# Altium PCB MMB_Controller_Board.pcbdoc (part 2 of 3)
Units mm, origin at the board's own origin, x right, y up, seen from the top; angles counter-clockwise.
Board outline 85 x 50 mm, 8 copper layers (Layer 1, Layer 2P, Layer 3, Layer 4 Pow, Layer 5, Layer 6, Layer 7P, Layer 8), stack 1.701 mm thick; 249 components, 205 nets, 935 pads, 357 vias.
Unrouted connection lines stored in the file: 68.
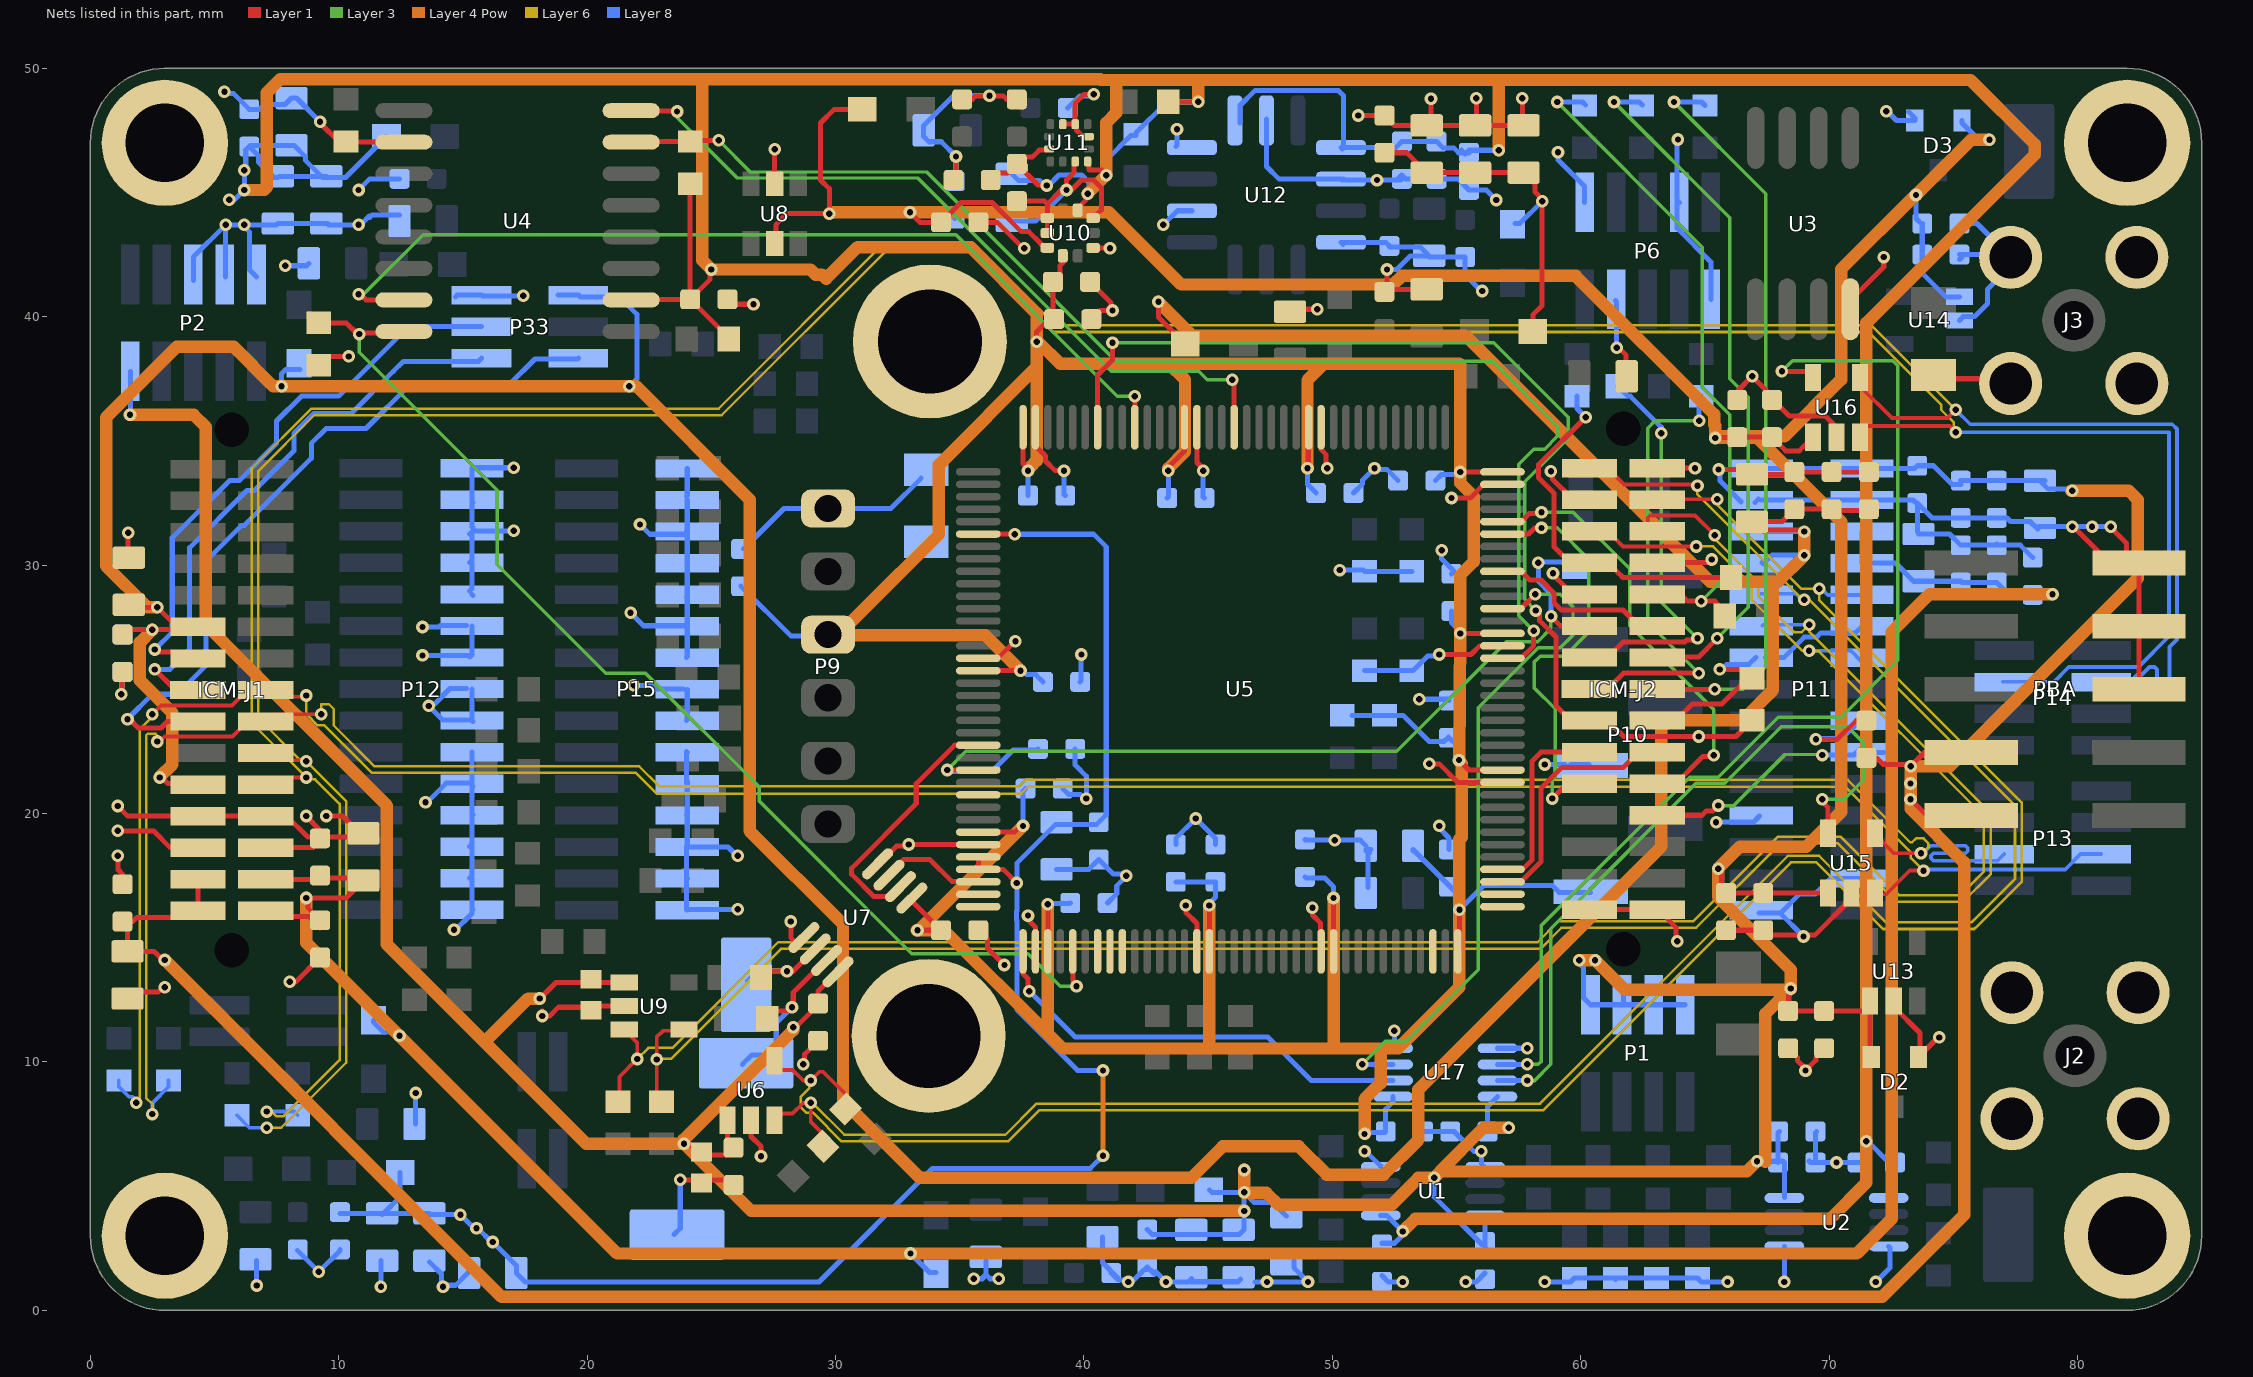
[diagram p8: the nets of this part, all layers, seen from the top]

## Part data (continued)
U4: "IC FLASH 512M SPI 133MHZ 16SOIC", Manufacturer=Cypress, Supplier Part Number 1=S25FS512SAGMFV010-ND, Manufacturer Part Number=S25FS512SAGMFV010, Pricing 1="1 = 8.400000, 10 = 7.729000, 25 = 7.568800, 50 = 7.541800, 240 = 6.765830, 480 = 6.560670, 720 = 6.239540, 1200 = 6.021000 (USD)", RoHS=No, Stock 1=221, Supplier 1=Digi-Key
U5: "ARM® Cortex®-M7 STM32H7 Microcontroller IC 32-Bit 400MHz 2MB (2M x 8) FLASH 144-LQFP (20x20)", Manufacturer=STMicroelectronics, Supplier Part Number 1=497-17721-ND, ComponentLink1Description=Datasheet, ComponentLink1URL=https://www.st.com/resource/en/datasheet/stm32h743bi.pdf, ComponentLink2Description="STM32H743, 753, 750 Reference Manual", ComponentLink2URL=https://www.st.com/resource/en/reference_manual/dm00314099.pdf, ComponentLink3Description="STM32H743xl Errata", ComponentLink3URL=https://www.st.com/resource/en/errata_sheet/dm00368411.pdf, ComponentLink4Description="Datasheet HTML", ComponentLink4URL=https://www.digikey.com/en/datasheets/stmicroelectronics/stmicroelectronics-en-dm00387108, Manufacturer Part Number=STM32H743ZIT6, Pricing 1="1 = 22.91000, 60 = 20.17900, 120 = 18.04242, 540 = 16.38059 (USD)", RoHS=No, Stock 1=331, Supplier 1=Digi-Key
U6 U9 U13 U15 U16: "3V LVDS Single CMOS Differential Line Receiver, 5-pin SOT-23", Case/Package=SOT-23, Manufacturer="TI National Semiconductor", Manufacturer Part Number=DS90LV012ATMF/NOPB, Max Operating Temperature=85°C, Max Power Dissipation=2.26W, Max Supply Current=9mA, Max Supply Voltage=3.6V, Min Operating Temperature=-40°C, Min Supply Voltage=2.7V, Operating Supply Voltage=3.3V, Package Quantity=1000, Power Consumption=18W, Supplier Part Number 1=DS90LV012ATMF/NOPBCT-ND, ComponentLink1Description=http://www.ti.com/lit/ds/symlink/ds90lv012a.pdf, ComponentLink1URL=http://www.ti.com/lit/ds/symlink/ds90lv012a.pdf, ComponentLink2Description=https://datasheet.ciiva.com/15133/getdatasheetpartid-627853-15133191.pdf?src-supplier=Verical, ComponentLink2URL=https://datasheet.ciiva.com/15133/getdatasheetpartid-627853-15133191.pdf?src-supplier=Verical, ComponentLink3Description=https://datasheet.ciiva.com/41460/001187784-da-01-en-ic-line-ds90lv012atmf-nopb-sot-23-5-tid-41460741.pdf?src-supplier=Conrad, ComponentLink3URL=https://datasheet.ciiva.com/41460/001187784-da-01-en-ic-line-ds90lv012atmf-nopb-sot-23-5-tid-41460741.pdf?src-supplier=Conrad, ComponentLink4Description=https://datasheet.ciiva.com/1709/ds90lt012a-1709907.pdf?src-supplier=Digi-Key, ComponentLink4URL=https://datasheet.ciiva.com/1709/ds90lt012a-1709907.pdf?src-supplier=Digi-Key, ComponentLink5Description=https://datasheet.ciiva.com/3151/ds90lv012a-3151479.pdf?src-supplier=Avnet, ComponentLink5URL=https://datasheet.ciiva.com/3151/ds90lv012a-3151479.pdf?src-supplier=Avnet, ComponentLink6Description=https://datasheet.ciiva.com/1554/1849915-1554728.pdf?src-supplier=Farnell, ComponentLink6URL=https://datasheet.ciiva.com/1554/1849915-1554728.pdf?src-supplier=Farnell, ComponentLink7Description=https://datasheet.ciiva.com/3151/ds90lv012a-3151480.pdf?src-supplier=Avnet, ComponentLink7URL=https://datasheet.ciiva.com/3151/ds90lv012a-3151480.pdf?src-supplier=Avnet, ComponentLink8Description=https://datasheet.ciiva.com/1709/ds90lt012a-1709945.pdf?src-supplier=Digi-Key, ComponentLink8URL=https://datasheet.ciiva.com/1709/ds90lt012a-1709945.pdf?src-supplier=Digi-Key, ComponentLink9Description=https://datasheet.ciiva.com/1709/ds90lt012a-1709946.pdf?src-supplier=Digi-Key, ComponentLink9URL=https://datasheet.ciiva.com/1709/ds90lt012a-1709946.pdf?src-supplier=Digi-Key, Data Rate=400Mbps, Height=1.02mm, Lead Free="Lead Free", Length=2.92mm, Mount="Surface Mount", Number of Channels=1, Number of Drivers=1, Number of Elements=1, Number of Pins=5, Number of Receivers=1, Packaging="Tape and Reel", Power Dissipation=2.26W, Pricing 1="1=1.05000, 10=0.93600, 100=0.72970, 500=0.60276 (USD)", Propagation Delay=3.5ns, Radiation Hardening=No, REACH SVHC="No SVHC", RoHS=Yes, Stock 1=46821, Supplier 1=Digi-Key, Turn-On Delay Time=3.5ns, Width=1.6mm
U8: "Low Capacitance Diode Array for ESD Protection in Four Data Lines, 6-Pin SC-74, Pb-Free, Tape and Reel", Breakdown Voltage=70V, Capacitance=3pF, Case/Package=SC, Forward Current=715mA, Leakage Current=2.5uA, Manufacturer="ON Semiconductor", Max Operating Temperature=85°C, Max Surge Current=2A, Min Operating Temperature=-40°C, Package Quantity=1, Power Line Protection=No, Power Rating=500W, Supplier Part Number 1=NUP4301MR6T1GOSCT-ND, ComponentLink1Description="Manufacturer URL", ComponentLink1URL=http://www.onsemi.com/, ComponentLink2Description=Datasheet, ComponentLink2URL=http://www.onsemi.com/pub/Collateral/NUP4301MR6T1-D.PDF, ComponentLink3Description="Package Specification", ComponentLink3URL=http://www.onsemi.com/pub_link/Collateral/318F-05.PDF, ComponentLink4Description=https://datasheet.ciiva.com/353/nup4301mr6t1-d-353859.pdf?src-supplier=Avnet, ComponentLink4URL=https://datasheet.ciiva.com/353/nup4301mr6t1-d-353859.pdf?src-supplier=Avnet, ComponentLink5Description=https://datasheet.ciiva.com/353/nup4301mr6t1-d-353859.pdf?src-supplier=Digi-Key, ComponentLink5URL=https://datasheet.ciiva.com/353/nup4301mr6t1-d-353859.pdf?src-supplier=Digi-Key, ComponentLink6Description=https://datasheet.ciiva.com/22637/1708333-22637204.pdf?src-supplier=Element14, ComponentLink6URL=https://datasheet.ciiva.com/22637/1708333-22637204.pdf?src-supplier=Element14, ComponentLink7Description=https://datasheet.ciiva.com/29695/1185422-29695844.pdf?src-supplier=Jameco, ComponentLink7URL=https://datasheet.ciiva.com/29695/1185422-29695844.pdf?src-supplier=Jameco, ComponentLink8Description=https://datasheet.ciiva.com/17030/0900766b80dad825-17030492.pdf?src-supplier=Allied+Electronics, ComponentLink8URL=https://datasheet.ciiva.com/17030/0900766b80dad825-17030492.pdf?src-supplier=Allied+Electronics, ComponentLink9Description=https://datasheet.ciiva.com/26787/nup4301mr6t1g-26787833.pdf?src-supplier=IIIC, ComponentLink9URL=https://datasheet.ciiva.com/26787/nup4301mr6t1g-26787833.pdf?src-supplier=IIIC, ComponentLink10Description=https://datasheet.ciiva.com/353/nup4301mr6t1-d-353860.pdf?src-supplier=Digi-Key, ComponentLink10URL=https://datasheet.ciiva.com/353/nup4301mr6t1-d-353860.pdf?src-supplier=Digi-Key, ComponentLink11Description=https://datasheet.ciiva.com/353/nup4301mr6t1-d-353861.pdf?src-supplier=Digi-Key, ComponentLink11URL=https://datasheet.ciiva.com/353/nup4301mr6t1-d-353861.pdf?src-supplier=Digi-Key, ComponentLink12Description=https://datasheet.ciiva.com/8292/nup4301mr6t1-d-8292389.pdf?src-supplier=Avnet, ComponentLink12URL=https://datasheet.ciiva.com/8292/nup4301mr6t1-d-8292389.pdf?src-supplier=Avnet, ComponentLink13Description=https://datasheet.ciiva.com/15144/getdatasheetpartid-82731-15144533.pdf?src-supplier=Verical, ComponentLink13URL=https://datasheet.ciiva.com/15144/getdatasheetpartid-82731-15144533.pdf?src-supplier=Verical, ComponentLink14Description=https://datasheet.ciiva.com/7973/1916454-7973847.pdf?src-supplier=Element14, ComponentLink14URL=https://datasheet.ciiva.com/7973/1916454-7973847.pdf?src-supplier=Element14, ComponentLink15Description=https://datasheet.ciiva.com/16396/nup4301mr6t1-d-16396122.pdf?src-supplier=Future+Electronics, ComponentLink15URL=https://datasheet.ciiva.com/16396/nup4301mr6t1-d-16396122.pdf?src-supplier=Future+Electronics, Contact Plating=Tin, Depth=1.5mm, Direction=Bidirectional, Halogen Free="Halogen Free", Height=0.94mm, Lead Free="Lead Free", Length=3mm, Manufacturer Part Number=NUP4301MR6T1G, Max Breakdown Voltage=70V, Max Repetitive Reverse Voltage (Vrrm)=70V, Min Breakdown Voltage=70V, Number of Bidirectional Channels=4, Number of Channels=4, Number of Lines=4, Number of Pins=6, Packaging="Tape and Reel", Peak Non-Repetitive Surge Current=2A, Peak Reverse Current=2.5uA, Polarity=Bidirectional, Pricing 1="1 = 0.50000, 10 = 0.37400, 100 = 0.23310, 500 = 0.15952, 1000 = 0.12271 (USD)", Radiation Hardening=No, REACH SVHC="No SVHC", Reverse Standoff Voltage=70V, Reverse Voltage=70V, RoHS=Yes, Stock 1=26876, Supplier 1=Digi-Key, Voltage Rating (DC)=70V, Width=1.5mm, Working Voltage=70V
U10: "Pressure Sensor  Absolute   10-VFLGA", Manufacturer=STMicroelectronics, Supplier Part Number 1=497-17587-1-ND, ComponentLink1Description=Datasheet, ComponentLink1URL=https://www.st.com/content/ccc/resource/technical/document/datasheet/group3/8a/d9/56/bc/42/4c/42/ae/DM00342209/files/DM00342209.pdf/jcr:content/translations/en.DM00342209.pdf, ComponentLink2Description="Supplier Link", ComponentLink2URL=https://www.digikey.com/products/en?keywords=497-17587-1-ND, ComponentLink3Description=http://www.st.com/content/ccc/resource/technical/document/datasheet/group3/8a/d9/56/bc/42/4c/42/ae/DM00342209/files/DM00342209.pdf/jcr:content/translations/en.DM00342209.pdf?src-supplier=Digi-Key, ComponentLink3URL=http://www.st.com/content/ccc/resource/technical/document/datasheet/group3/8a/d9/56/bc/42/4c/42/ae/DM00342209/files/DM00342209.pdf/jcr:content/translations/en.DM00342209.pdf?src-supplier=Digi-Key, Manufacturer Part Number=LPS22HDTR, Pricing 1="1 = 4.23000, 10 = 3.79600, 25 = 3.58880, 100 = 3.11030, 500 = 2.64770, 1000 = 2.23300 (USD)", RoHS=No, Stock 1=178, Supplier 1=Digi-Key
U11: "Magnetoresistive Sensor X, Y, Z Axis 12-LGA (2x2)", Case/Package=LGA, Manufacturer=STMicroelectronics, Max Operating Temperature=85°C, Max Supply Current=270uA, Max Supply Voltage=3.6V, Min Operating Temperature=-40°C, Min Supply Voltage=1.9V, Package Quantity=8000, Supplier Part Number 1=497-13892-1-ND, Axis="X, Y, Z", ComponentLink1Description=Datasheet, ComponentLink1URL=https://www.st.com/content/ccc/resource/technical/document/datasheet/54/2a/85/76/e3/97/42/18/DM00075867.pdf/files/DM00075867.pdf/jcr:content/translations/en.DM00075867.pdf, ComponentLink2Description="Footprint data", ComponentLink2URL=http://mydiscuz.b0.upaiyun.com/forum/201602/17/145811me52roaer17ott71.attach?_upd=LSM303AGR_Footprint.pdf, Contact Plating=Gold, Lead Free="Lead Free", Manufacturer Part Number=LIS3MDLTR, Mount="Surface Mount", Number of Pins=12, Output Type=SPI, Packaging="Tape and Reel", Pricing 1="1 = 1.67000, 10 = 1.49800, 100 = 1.20450, 500 = 0.98958, 1000 = 0.81993 (USD)", Radiation Hardening=No, REACH SVHC="No SVHC", Resolution=16b, RoHS=Yes, Sensing Method=Magnetoresistive, Stock 1=20171, Supplier 1=Digi-Key
U12: "Accelerometer X, Y, Z Axis ±2g, 4g, 8g 1.5kHz 14-CLCC (6x6)", Manufacturer="Analog Devices", Supplier Part Number 1=ADXL355BEZ-RL7CT-ND, ComponentLink1Description=Datasheet, ComponentLink1URL=https://www.analog.com/media/en/technical-documentation/data-sheets/ADXL354_355.pdf, ComponentLink2Description=https://www.analog.com/media/en/technical-documentation/data-sheets/ADXL354_355.pdf?src-supplier=Digi-Key, ComponentLink2URL=https://www.analog.com/media/en/technical-documentation/data-sheets/ADXL354_355.pdf?src-supplier=Digi-Key, Lead Free="Contains Lead", Manufacturer Part Number=ADXL355BEZ-RL7, Number of Pins=14, Pricing 1="1 = 53.40000, 10 = 50.16300, 100 = 44.98520 (USD)", RoHS=No, Stock 1=1191, Supplier 1=Digi-Key
U14: "Single High Speed Differential Driver, 5-pin SOT-23", Case/Package=SOT-23, Manufacturer="Texas Instruments", Manufacturer Part Number=DS90LV011ATMF/NOPB, Max Operating Temperature=85°C, Max Output Current=-24mA, Max Output Voltage=450mV, Max Power Dissipation=902mW, Max Supply Current=10mA, Max Supply Voltage=3.6V, Min Operating Temperature=-40°C, Min Supply Voltage=3V, Nominal Supply Current=7mA, Operating Supply Voltage=3.3V, Package Quantity=1000, Power Consumption=17W, Supplier Part Number 1=DS90LV011ATMF/NOPBCT-ND, ComponentLink1Description=http://www.ti.com/lit/ds/symlink/ds90lv011a.pdf, ComponentLink1URL=http://www.ti.com/lit/ds/symlink/ds90lv011a.pdf, ComponentLink2Description=https://datasheet.ciiva.com/46381/1581201-46381879.pdf?src-supplier=Element14, ComponentLink2URL=https://datasheet.ciiva.com/46381/1581201-46381879.pdf?src-supplier=Element14, ComponentLink3Description=https://datasheet.ciiva.com/46381/1882279-46381880.pdf?src-supplier=Element14, ComponentLink3URL=https://datasheet.ciiva.com/46381/1882279-46381880.pdf?src-supplier=Element14, Data Rate=400Mbps, Height=1.02mm, Interface=LVDS, Lead Free="Lead Free", Length=2.92mm, Mount="Surface Mount", Number of Channels=1, Number of Drivers=1, Number of Elements=1, Number of Pins=5, Number of Receivers=1, Operating Supply Current=10mA, Packaging="Tape and Reel", Power Dissipation=902mW, Pricing 1="1 = 1.26000, 10 = 1.12400, 100 = 0.87650, 500 = 0.72410 (USD)", Propagation Delay=1.5ns, Radiation Hardening=No, REACH SVHC="No SVHC", RoHS=Yes, Stock 1=57010, Supplier 1=Digi-Key, Termination=SMD/SMT, Turn-On Delay Time=1.5ns, Weight=0.00709oz, Width=1.6mm

## Via types
v1: diameter 0.508, hole 0.254, Layer 1 to Layer 8, 357 vias

## Nets (pads, with @x,y where several pads share a name; then routed paths per layer and width w, separated by ;. In a path a pad name is that pad's centre, name@x,y a point inside that pad or via, vN(x,y) a via of type N, cw(c..) or ccw(c..) an arc to the next point about the centre after c; other vN are vias at no path point)
+1V8_A: C71.2 C72.2 C73.2 C74.2 L15.2 L28.2 | length 14.3
  Layer 1 w0.203: C71.2@52.1,46.6 53,46.6 C72.2@53.8,45.8 C73.2@55.75,45.8 C74.2@57.7,45.8 58.157,45.343 58.157,45.025 58.45,44.732 v1(58.45,44.65) 58.45,40.45 58.075,40.075 L15.2@58.075,39.4
  Layer 8 w0.203: L28.2@57.35,43.75 57.55,43.75 v1(58.45,44.65)
+1V8_D: C2.2 C4.2 C40.1 C41.2 C42.2 C45.2 C54.2 C55.2 C56.2 C57.2 C58.2 C59.2 C60.2 C61.2 C62.1 C63.1 C64.1 C65.1 C66.1 C67.1 C78.2 C79.2 C80.2 C81.2 C98.2 C99.2 C102.2 C103.2 C105.2 C106.2 C107.2 C132.2 C133.2 L18.2 P9.3 P10.1 R22.2 R23.2 R37.1 R38.1 R301.1 R302.1 U1.1 U2.1 U4.2 U5.17 U5.30 U5.39 U5.52 U5.62 U5.72 U5.84 U5.95 U5.108 U5.121 U5.131 U5.144 U7.1 U10.1 U10.6 U11.6 U11.10 U12.5 U12.8 U17.1 | length 434.6
  Layer 1 w0.203: U4.2@21.85,40.7 C40.1@24.15,40.7 ; R22.2@24.05,45.3 24.15,45.2 C40.1@24.15,40.75 ; v1(25,41.9) 24.942,41.842 24.942,41.492 C40.1@24.15,40.7 ; R23.2@25.7,39.1 25.7,39.15 C40.1@24.15,40.7 ; U7.1@33.204,16.596 U7.1@33.074,16.595 33.075,16.475 C45.2@34.25,15.3 v1(33.3,15.3) ; U5.30@35.75,19.25 37.218,19.25 37.468,19.5 v1(37.55,19.5) ; U5.17@35.75,25.75 v1(37.45,25.75) ; C102.2@36.25,45.5 36.528,45.778 36.928,45.778 C103.2@37.3,46.15 ; U5.144@37.55,35.55 37.55,34.082 37.75,33.882 v1(37.75,33.8) ; v1(38.1,38.989) 38.1,39.4 C99.2@38.575,39.875 ; v1(38.501,45.282) 38.483,45.3 38.15,45.3 C103.2@37.3,46.15 ; U5.39@38.55,14.45 v1(38.55,16.35) ; C99.2@38.55,39.9 38.75,40.1 C98.2@38.75,41.4 39.037,41.687 39.037,42.054 39.15,42.167 U10.1@39.15,42.45 ; U11.6@38.6,46.75 38.552,46.702 38.202,46.702 37.937,46.437 37.587,46.437 C103.2@37.3,46.15 ; U10.6@39.75,44.3 39.75,44.365 40.092,44.707 40.092,44.892 v1(40.15,44.95) ; U11.10@40.15,46.25 40.198,46.202 40.198,45.919 40.217,45.9 40.7,45.9 v1(40.9,45.7) ; v1(43.4,33.8) 43.4,33.95 44.05,34.6 U5.131@44.05,35.55 ; R37.1@43.4,48.65 v1@44.586,48.65 ; U5.52@45.05,14.45 v1@45.05,16.25 ; v1(49,33.9) 49.031,33.931 49.031,35.531 U5.121@49.05,35.55 ; U5.62@50.05,14.45 v1(50.05,16.6) ; U5.72@55.05,14.45 55.118,14.518 v1(55.118,16.129) ; v1(55.1,22.15) 55.5,21.75 U5.84@56.85,21.75 ; v1(55.15,27.25) U5.95@56.85,27.25 ; v1(55.15,33.75) U5.108@56.85,33.75
  Layer 4 Pow w0.14: P9.3@29.722,27.178 P9.3@29.7,27.2 P9.3@30.121,27.2 ; 44.577,49.53 44.6,49.507 ; 55.118,38.1 55.15,38.068
  Layer 4 Pow w0.5: v1(6.2,45.1) 7,45.1 7.112,45.212 7.112,49.022 7.646,49.556 24.638,49.556 ; P9.3@29.722,27.178 36.022,27.178 v1@37.419,25.781 ; P9.3@30.121,27.2 31.115,28.194 ; 31.126,28.205 34.163,31.242 34.163,34.036 38.1,37.973 ; v1@33.274,15.3 v1(33.3,15.3) v1@33.35,15.3 ; v1(37.55,19.5) v1@33.35,15.3 ; v1@37.846,33.952 38.1,34.206 38.1,37.973 ; v1(38.55,16.35) 38.55,11.124 ; v1(40.15,44.95) v1(40.9,45.7) 40.9,47.8 41.3,48.2 41.3,49.53 ; v1(43.4,33.8) 43.4,33.9 44.069,34.569 44.069,37.465 43.434,38.1 ; v1(44.6,48.65) 44.6,49.507 ; v1(45.05,16.3) 45.05,10.633 44.958,10.541 ; v1(49,33.9) 49,37.443 49.657,38.1 ; v1(50.05,16.6) 50.05,10.553 50.038,10.541 ; v1(51.3,7.1) 51.3,8.5 51.943,9.143 51.943,10.541 ; v1(52.832,3.175) 53.34,3.683 70.046,3.683 71.5,5.137 v1(71.5,6.8) 71.501,39.751 78.279,46.529 78.279,46.943 75.692,49.53 56.7,49.53 ; v1@55.118,22.098 55.206,22.01 55.206,19.049 55.118,18.962 v1(55.118,16.129) 55.118,13.012 52.647,10.541 51.943,10.541 ; v1@55.118,22.225 v1(55.15,27.25) 55.15,29.594 55.694,30.137 55.694,32.763 55.152,33.305 55.152,33.748 v1(55.15,33.75) 55.15,38.068 ; 55.118,38.1 49.657,38.1 ; v1(56.7,46.7) 56.7,49.53 ; 24.638,49.556 40.651,49.556 40.676,49.53 41.3,49.53 ; 24.638,49.556 24.638,42.262 v1(25,41.9) 28.994,41.9 29.199,41.694 29.455,41.694 29.621,41.529 30.891,42.799 35.433,42.799 38.1,40.132 v1(38.1,38.989) ; v1@33.35,15.3 34.374,15.3 38.55,11.124 ; 38.1,37.973 v1(38.1,38.989) ; v1(38.1,38.989) 38.161,38.989 39.05,38.1 43.434,38.1 ; 38.55,11.124 39.133,10.541 44.958,10.541 ; 41.3,49.53 44.577,49.53 56.7,49.53 ; 43.434,38.1 49.657,38.1 ; 44.958,10.541 50.038,10.541 ; 50.038,10.541 51.943,10.541
  Layer 8 w0.203: v1(5.588,44.704) 5.804,44.704 v1(6.2,45.1) v1(6.2,45.9) ; v1@6.15,45.95 6.168,45.95 6.258,46.041 6.258,46.708 6.45,46.9 C81.2@8.1,46.9 8.2,46.9 8.657,46.443 8.657,46.293 C79.2@9.3,45.65 ; C78.2@6.4,46.85 6.772,46.478 6.772,46.228 7.4,45.6 C80.2@7.55,45.6 ; C80.2@7.6,45.65 C79.2@9.3,45.65 ; C79.2@9.5,45.65 C79.2@9.3,45.65 ; L18.2@11.925,47.25 10.275,45.6 9.35,45.6 C79.2@9.3,45.65 ; C41.2@26.2,29.15 28.2,27.15 P9.3@29.65,27.15 ; P9.3@29.7,27.2 30.017,27.2 32.768,29.95 33.05,29.95 C42.2@33.65,30.55 ; C133.2@37.1,45.75 37.358,45.492 38.209,45.492 38.419,45.282 v1(38.501,45.282) 38.582,45.282 39,45.7 39.9,45.7 40.2,45.4 v1@40.2,44.95 ; v1(37.45,25.75) 37.532,25.75 37.695,25.587 38.063,25.587 C57.2@38.35,25.3 ; v1(37.55,19.5) 37.55,20.9 C67.1@37.65,21 ; C59.2@37.75,32.8 v1(37.75,33.8) ; v1(38.55,16.35) 38.575,16.375 39.425,16.375 C58.2@39.45,16.4 ; v1(40.9,45.7) 40.9,46.3 41.9,47.3 42.1,47.3 R38.1@42.1,47.35 42.1,47.4 43.35,48.65 v1(44.6,48.65) ; C66.1@43.35,32.7 43.4,32.75 v1(43.4,33.8) ; C56.2@43.7,17.25 C55.2@45.3,17.25 45.3,16.632 v1@45.05,16.382 ; v1(45.05,16.3) v1@45.05,16.382 ; v1@45.05,16.4 v1@45.05,16.382 ; U12.5@46.28,47.8 46.28,48.5 46.88,49.1 50.25,49.1 50.45,48.9 U12.8@50.45,46.805 ; C62.1@48.9,17.45 48.95,17.4 49.7,17.4 50.05,17.05 v1(50.05,16.6) ; v1(49,33.9) 49,33.25 C65.1@49.35,32.9 ; U12.8@50.35,46.805 U12.8@50.45,46.805 ; U12.8@50.4,46.75 50.45,46.8 U12.8@50.45,46.805 ; R302.1@50.8,23.95 R301.1@52.1,23.95 52.85,23.95 53.9,22.9 54.5,22.9 C63.1@54.675,23.075 ; v1(51.3,7.1) 51.35,7.15 52.1,7.15 C132.2@52.15,7.2 52.15,8.096 52.45,8.396 U17.1@52.45,8.6 ; U1.1@51.95,3.825 52.182,3.825 v1(52.832,3.175) 52.832,3.032 52.5,2.7 C2.2@52,2.7 ; C54.2@53.25,18.5 53.25,18.55 55.118,16.682 v1(55.118,16.129) 56.083,17.094 58.863,17.094 59.13,16.828 P10.1@60.389,16.828 ; C60.2@54.15,33.4 54.398,33.648 54.966,33.648 55.068,33.75 v1(55.15,33.75) v1@55.092,33.692 ; C63.1@54.7,23.05 54.987,22.763 54.987,22.345 55.1,22.232 v1(55.1,22.15) ; C64.1@54.8,28.15 54.8,27.682 55.15,27.332 v1(55.15,27.25) ; C107.2@55.2,46.7 C107.2@55.3,46.6 ; C107.2@55.5,46.6 C107.2@55.4,46.6 ; v1(56.7,46.7) 55.5,46.7 C107.2@55.4,46.6 ; v1(71.5,6.8) 71.55,6.8 72.4,5.95 U2.1@72.4,4.525 ; U12.8@50.45,46.805 52.555,46.805 C105.2@52.8,47.05 C106.2@54.2,47.05 54.465,46.785 54.905,46.785 55.09,46.6 C107.2@55.3,46.6 ; C107.2@55.3,46.6 55.35,46.55 C107.2@55.4,46.6 ; C107.2@55.3,46.6 C107.2@55.4,46.6
+3V3_A: C50.2 C51.2 C85.2 C86.2 C87.2 C88.2 L21.2 U5.6 U5.32 U5.33 | length 72.6
  Layer 1 w0.203: U5.33@35.75,17.75 U5.32@35.75,18.25 ; U5.6@35.75,31.25 37.203,31.25 v1(37.211,31.242) ; U5.33@35.8,17.75 36.75,17.75 v1(37.3,17.2)
  Layer 4 Pow w0.203: v1(40.767,6.223) v1(40.767,9.652)
  Layer 8 w0.203: C85.2@10.05,3.9 C88.2@11.75,3.9 C88.2@11.8,3.9 ; C88.2@11.75,3.85 C88.2@11.8,3.9 ; L21.2@12.475,5.55 12.475,4.575 C88.2@11.8,3.9 ; C86.2@13.65,3.9 C88.2@11.8,3.9 ; C86.2@13.7,3.85 v1(14.9,3.85) 15.295,3.455 15.313,3.455 15.468,3.3 v1(15.55,3.3) 15.6,3.3 16.15,2.75 v1(16.2,2.75) ; v1@16.2,2.7 16.25,2.7 17.15,1.8 C87.2@17.15,1.5 17.507,1.143 29.337,1.143 33.909,5.715 40.259,5.715 v1(40.767,6.223) ; v1(37.211,31.242) 40.394,31.242 40.9,30.736 40.9,19.95 C50.2@40.6,19.65 40.5,19.55 38.9,19.55 38.85,19.55 37.3,18 v1(37.3,17.2) 37.3,16.085 37.295,16.079 37.295,15.701 37.3,15.695 37.3,12.103 39.751,9.652 v1(40.767,9.652)
+3V3_D: C1.2 C3.2 C43.2 C44.2 C46.2 C47.2 C48.2 C92.2 C93.2 C94.2 C95.2 C96.2 C97.2 C111.2 C112.2 C113.2 C114.2 C127.2 C128.2 C129.2 C130.2 C131.2 D2.2 D3.2 L24.2 L27.2 P1.1 P1.3 P1.5 P1.7 P2.2 U1.8 U2.8 U6.1 U7.8 U8.5 U9.1 U10.10 U13.1 U14.1 U15.1 U16.1 U17.8 | length 288.6
  Layer 1 w0.203: v1(18.1,12.55) 18.75,13.2 C48.2@20.15,13.2 ; C48.2@20.15,13.25 20.15,13.3 20.25,13.2 U9.1@21.5,13.2 ; v1(23.9,6.7) 23.958,6.642 24.208,6.642 24.6,6.25 25.65,6.25 U6.1@25.65,7.65 ; U8.5@27.6,42.95 27.6,43.7 28.05,44.15 v1(29.75,44.15) 29.75,45.15 29.4,45.5 29.4,47.8 29.95,48.35 L27.2@31.1,48.35 ; v1(28.3,11.4) 28.4,11.4 29.325,12.325 29.375,12.375 29.3,12.45 29.3,12.85 U7.8@30.35,13.9 ; v1(33,44.2) 33.4,43.8 C97.2@34.25,43.8 35.05,44.6 36.3,44.6 36.773,44.127 37.479,43.421 37.782,43.421 38.232,42.972 38.232,42.968 38.43,42.77 U10.10@38.53,42.77 ; v1(65.412,35.116) 65.429,35.133 66.213,35.133 C130.2@66.294,35.052 ; v1(65.532,17.78) 65.659,17.653 65.659,17.097 65.563,17.097 65.76,16.9 C127.2@65.85,16.9 ; C127.2@65.9,16.8 67.25,16.8 C128.2@67.3,16.75 ; C130.2@66.3,35.15 C130.2@66.4,35.15 ; C130.2@66.35,35.1 C130.2@66.4,35.15 ; C128.2@67.35,16.75 67.4,16.8 U15.1@69.95,16.8 ; C129.2@67.7,35.15 C130.2@66.4,35.15 ; C129.2@67.8,35.15 67.8,35.05 68.25,34.6 68.8,34.6 U16.1@69.35,35.15 ; C112.2@68.35,12 68.375,12.025 C112.2@68.375,12.05 ; C112.2@68.35,12.05 C112.2@68.375,12.05 ; v1(68.453,12.954) 68.375,12.876 C112.2@68.375,12.05 ; C111.2@69.85,12 C111.2@69.8,12.05 ; D2.2@71.65,10.25 U13.1@71.65,12.3 ; U13.1@71.65,12.35 71.35,12.05 C111.2@69.8,12.05 ; C112.2@68.375,12.05 C111.2@69.8,12.05
  Layer 4 Pow w0.5: v1(1.6,36.05) 4.165,36.05 4.655,35.56 4.655,27.6 11.938,20.317 11.938,14.732 15.875,10.795 ; v1(18.1,12.55) 18.098,12.548 17.628,12.548 15.875,10.795 ; v1@23.876,6.731 23.876,6.858 28.3,11.282 v1(28.3,11.4) ; v1(23.9,6.7) 23.859,6.7 23.852,6.707 19.963,6.707 15.875,10.795 ; v1@23.903,6.704 26.607,4 v1(46.45,4) ; v1(29.75,44.15) 29.8,44.2 v1(33,44.2) 41.006,44.2 43.912,41.294 52.451,41.294 52.798,41.642 59.799,41.642 65.376,36.065 65.376,35.649 65.41,35.615 v1(65.412,35.116) v1(65.412,35.116) ; v1(46.45,4.75) 46.451,4.749 46.451,5.648 v1(46.45,5.65) ; v1@46.452,4.729 47.341,4.729 47.826,4.244 52.377,4.244 53.467,5.334 v1(54.102,5.334) 54.356,5.588 ; v1(57.1,7.35) 56.094,7.35 54.356,5.612 54.356,5.588 ; v1(59.944,14.097) v1(60.579,14.097) 61.776,12.9 v1@68.38,12.9 ; v1@65.468,35.116 67.119,35.116 70.485,31.75 70.485,20.066 69.088,18.669 66.421,18.669 v1(65.532,17.78) 65.532,16.637 68.453,13.716 v1(68.453,12.954) ; v1@65.532,35.179 67.119,35.179 68.199,35.179 70.485,37.465 70.485,41.91 v1@73.533,44.958 ; v1(67.1,6) 67.098,6 66.686,5.588 54.356,5.588 ; 67.437,5.969 67.437,11.937 v1@68.453,12.953 ; v1(73.5,44.9) 75.717,47.117 v1(76.454,47.117)
  Layer 8 w0.203: v1(1.6,36.05) 1.61,36.06 P2.2@1.61,37.8 ; v1(33,44.2) 33.058,44.142 34.608,44.142 C96.2@34.8,43.95 ; C92.2@42.55,3.25 42.75,3.05 44.25,3.05 C95.2@46.2,3.05 ; L24.2@45.05,4.85 45.15,4.75 v1(46.45,4.75) ; C95.2@46.25,3.05 46.45,3.25 v1(46.45,4) v1(46.45,4.75) ; v1(46.45,5.65) v1(46.45,4.75) ; C93.2@48.15,3.8 47.6,4.35 46.85,4.35 v1(46.45,4.75) ; v1(54.102,5.334) 54.102,4.572 C1.2@56.15,2.524 ; C1.2@56.1,2.45 C1.2@56.15,2.5 ; U1.8@56.15,3.825 C1.2@56.15,2.75 C1.2@56.15,2.524 ; U17.8@56.65,8.6 56.25,8.2 C131.2@56.25,7.2 56.342,7.292 57.042,7.292 v1(57.1,7.35) ; v1@59.944,13.97 59.944,13.958 60.122,13.781 60.122,12.573 P1.1@60.395,12.3 ; P1.1@60.452,12.319 60.471,12.3 P1.3@61.665,12.3 ; v1(60.579,14.097) 60.65,14.097 61.722,13.025 61.722,12.319 61.741,12.3 P1.5@62.935,12.3 ; P1.5@62.992,12.319 63.011,12.3 P1.7@64.205,12.3 ; v1@67.158,6.058 v1(67.1,6) C3.2@67.95,6 ; C3.2@67.95,5.95 C3.2@67.95,6 ; C47.2@68,7.2 67.95,7.15 C3.2@67.95,6 ; U2.8@68.2,4.55 68.2,5.95 68.15,6 C3.2@67.95,6 ; v1(73.5,44.9) 73.5,43.95 C114.2@73.75,43.7 ; C114.2@73.75,43.75 C114.2@73.75,43.7 ; U14.1@75.25,40.8 74.7,40.8 73.75,41.75 C113.2@73.75,42.5 C114.2@73.75,43.7 ; D3.2@75.35,47.9 75.35,47.8 75.975,47.175 76.396,47.175 v1(76.454,47.117) ; C1.2@56.15,2.5 56.174,2.5 C1.2@56.15,2.524 ; C1.2@56.15,2.5 C1.2@56.15,2.524
+5V0: C11.2 C12.2 C13.2 C115.2 C116.2 C117.2 C118.2 ICM-J1.28 ICM-J1.30 P11.1 P11.2 PBA.2 PBA.4 | length 144.8
  Layer 1 w0.203: v1(3,14.1) 2.918,14.1 2.568,14.45 C11.2@1.5,14.45 1.5,15.45 C13.2@1.3,15.65 1.71,15.65 1.876,15.816 4.066,15.816 ICM-J1.30@4.335,16.085 ; ICM-J1.28@4.2,17.3 4.25,17.35 4.335,17.265 ICM-J1.30@4.335,16.085 ; ICM-J1.30@4.335,16.082 ICM-J1.30@4.335,16.085 ; ICM-J1.30@4.35,16.1 ICM-J1.30@4.335,16.085 ; C12.2@71.501,22.237 71.911,22.237 72.177,21.971 v1@73.279,21.971 ; v1(73.279,20.574) 74.041,19.812 PBA.2@75.692,19.812 ; v1(73.286,21.908) 73.857,22.479 PBA.4@75.819,22.479
  Layer 4 Pow w0.5: v1(3,14.1) 16.563,0.537 72.133,0.537 75.438,3.843 75.438,18.034 73.279,20.193 v1(73.279,20.574) v1(73.279,21.209) v1@73.279,21.844 ; v1@73.279,21.908 v1(73.286,21.908) 74.867,21.908 82.423,29.464 82.423,32.639 82.062,33 v1@79.75,33
  Layer 8 w0.203: P11.2@67.2,33.85 67.24,33.89 P11.2@67.268,33.89 P11.1@71.332,33.89 73.44,33.89 C116.2@73.55,34 74.2,34 74.95,33.25 C118.2@75.3,33.25 ; C118.2@75.3,33.4 C117.2@76.75,33.4 C115.2@78.45,33.4 ; C115.2@78.686,33.396 C115.2@78.486,33.396 78.828,33.054 79.728,33.054 v1(79.786,32.996)
ETH_CRS_DV: U5.43
ETH_MDC: U5.27
ETH_MDIO: U5.36
ETH_REF_CLK: U5.35
ETH_RXD0: U5.44
ETH_RXD1: U5.45
ETH_TX_EN: U5.70
ETH_TXD0: U5.73
ETH_TXD1: U5.74
FMEM_CSn: R22.1 U4.7 U5.93 | length 53.6
  Layer 1 w0.203: U4.7@21.75,47 21.8,47.05 R22.1@24.15,47.05 ; R22.1@24.2,47.05 R22.1@24.15,47.05 ; v1(25.3,47.1) 24.2,47.1 R22.1@24.15,47.05 ; U5.93@56.85,26.25 57.6,26.25 58.106,26.756 v1(58.106,27.354)
  Layer 3 w0.14: v1(25.3,47.1) 26.575,45.825 33.667,45.825 41.291,38.2 56.45,38.2 59.055,35.595 59.055,35.179 58.547,34.671 58.103,34.671 57.499,34.067 57.499,27.96 58.071,27.389 v1@58.106,27.389
FMEM_MISO: U4.8 U5.127 | length 31
  Layer 1 w0.203: U4.8@21.717,48.26 21.735,48.278 23.604,48.278 v1(23.622,48.26) ; U4.8@21.8,48.3 U4.8@21.805,48.295 ; U5.127@46,35.6 U5.127@46.05,35.55 v1@46.05,37.55
  Layer 3 w0.14: v1(23.622,48.26) 23.622,48.006 26.045,45.583 33.317,45.583 41.1,37.8 44.623,37.8 44.958,37.465 v1(45.974,37.465)
FMEM_MOSI: U4.15 U5.135 | length 38.2
  Layer 1 w0.203: v1(10.8,40.9) 10.882,40.9 11.107,40.675 U4.15@12.625,40.675 U4.15@12.613,40.687 ; U5.135@42.05,35.55 v1(42.05,36.8)
  Layer 3 w0.14: v1@10.8,40.8 v1(10.8,40.9) 11,40.9 13.4,43.3 34.85,43.3 41.35,36.8 v1(42.05,36.8)
FMEM_SCLK: R21.1 U4.16 U5.41 | length 47.4
  Layer 1 w0.203: R21.1@9.2,39.75 10.308,39.75 10.758,39.3 v1(10.829,39.3) 10.882,39.352 12.573,39.352 U4.16@12.625,39.405 ; U5.41@39.55,14.45 39.569,14.431 39.569,13.264 39.7,13.132 v1(39.7,13.05)
  Layer 3 w0.14: v1(10.829,39.3) 10.829,38.571 16.383,33.017 16.383,30.017 20.746,25.654 22.352,25.654 26.924,21.082 26.924,20.502 33.075,14.351 37.749,14.351 39.05,13.05 v1(39.7,13.05) v1@39.7,13
GND: C1.1 C2.1 C3.1 C4.1 C5.1 C6.1 C7.1 C8.1 C9.1 C10.1 C11.1 C12.1 C13.1 C40.2 C41.1 C42.1 C43.1 C44.1 C45.1 C46.1 C47.1 C48.1 C49.1 C50.1 C51.1 C52.1 C53.1 C54.1 C55.1 C56.1 C57.1 C58.1 C59.1 C60.1 C61.1 C62.2 C63.2 C64.2 C65.2 C66.2 C67.2 C68.1 C69.1 C70.1 C71.1 C72.1 C73.1 C74.1 C75.1 C76.1 C77.1 C78.1 C79.1 C80.1 C81.1 C82.1 C83.1 C84.1 C85.1 C86.1 C87.1 C88.1 C89.1 C90.1 C91.1 C92.1 C93.1 C94.1 C95.1 C96.1 C97.1 C98.1 C99.1 C100.1 C101.1 C102.1 C103.1 C104.2 C105.1 C106.1 C107.1 C108.1 C109.1 C110.1 C111.1 C112.1 C113.1 C114.1 C115.1 C116.1 C117.1 C118.1 C119.1 C120.1 C121.1 C122.1 C123.1 C124.1 C125.1 C126.1 C127.1 C128.1 C129.1 C130.1 C131.1 C132.1 C133.1 C134.1 D2.1 D3.1 ICM-J1.23 ICM-J1.24 ICM-J1.25 ICM-J1.26 ICM-J2.1 ICM-J2.4 ICM-J2.7 ICM-J2.10 ICM-J2.17 ICM-J2.29 ICM-J2.30 ICM-MH1.1 ICM-MH2.1 ID0.2 ID1.2 ID2.2 ID3.2 J2.2 J2.3 J2.4 J2.5 J3.2 J3.3 J3.4 J3.5 MH1.0 MH2.0 MH3.0 MH4.0 P2.5 P2.7 P2.9 P6.1 P6.4 P6.7 P6.10 P9.1 P10.3 P11.3 P11.4 P11.11 P11.14 P11.17 P11.24 P11.27 P11.30 P12.1 P12.3 P12.5 P12.7 P12.9 P12.11 P12.13 P12.15 P12.17 P12.19 P12.21 P12.23 P12.25 P12.27 P12.29 P15.1 P15.3 P15.5 P15.7 P15.9 P15.11 P15.13 P15.15 P15.17 P15.19 P15.21 P15.23 P15.25 P15.27 P15.29 P33.5 PBA.5 PBA.7 PBA.9 R2.1 R5.1 R7.1 R8.1 R21.2 R24.2 R31.2 R43.1 TP4.1 U1.4 U1.5 U2.4 U2.5 U3.4 U4.10 U5.16 U5.31 U5.38 U5.51 U5.61 U5.83 U5.94 U5.107 U5.120 U5.130 U5.143 U6.2 U7.4 U7.5 U8.2 U9.2 U10.3 U10.5 U10.8 U10.9 U11.2 U11.3 U11.9 U11.12 U12.2 U12.4 U12.6 U12.9 U12.11 U13.2 U14.2 U15.2 U16.2 U17.4 U17.5 | length 430.1
  Layer 1 w0.203: v1(1.1,18.3) 1.119,18.281 1.119,17.741 1.3,17.56 C13.1@1.3,17.15 ; v1(1.1,19.3) 2.546,19.3 3.223,18.622 ICM-J1.26@4.322,18.622 ; v1(1.1,20.3) 1.508,19.892 ICM-J1.24@4.335,19.892 ICM-J1.23@7.058,19.892 ; v1(1.25,24.8) 1.275,24.825 1.275,25.675 C6.1@1.3,25.7 ; C11.1@1.5,12.55 1.758,12.808 2.726,12.808 2.918,13 v1(3,13) ; v1@1.524,31.369 1.524,30.326 C5.1@1.55,30.3 ; ICM-J1.26@4.335,18.622 ICM-J1.26@4.322,18.622 ; ICM-J1.26@4.335,18.635 ICM-J1.26@4.322,18.622 ; ICM-J1.25@7.065,18.623 8.972,18.623 9.15,18.8 9.3,18.8 9.55,19.05 C8.1@10.95,19.05 ; ICM-J1.23@7.065,19.892 7.908,19.892 8.75,19.05 8.95,19.05 C9.1@9.2,18.8 ; v1@8.001,13.208 8.258,13.208 C10.1@9.25,14.2 ; v1(8.7,19.9) 8.7,19.875 9.25,19.325 C9.1@9.25,18.8 ; R21.2@9.2,38.05 9.25,38 9.65,38.4 v1(10.4,38.4) ; v1@9.25,47.8 10,47.05 R24.2@10.25,47.05 ; v1(9.5,19.9) 10.15,19.9 C8.1@10.95,19.1 ; R24.2@10.3,47.05 R24.2@10.25,47.05 ; U4.10@12.625,47.025 10.275,47.025 R24.2@10.25,47.05 ; v1@18.15,11.85 v1(18.2,11.85) 18.494,11.85 18.844,12.2 C48.1@20.15,12.2 ; v1@18.194,12.05 v1@18.2,12.044 ; C48.1@20.15,12.25 U9.2@21.5,12.25 ; v1(23.75,5.25) 24.6,5.25 C43.1@25.65,5.25 ; C40.2@25.65,40.7 25.85,40.5 v1(26.7,40.5) ; U6.2@26.543,7.62 26.6,7.563 26.6,7 27,6.6 v1(27,6.2) ; U8.2@27.55,45.35 27.55,46.727 v1(27.559,46.736) ; v1@28.163,15.65 v1(28.2,15.65) 28.2,15 28.36,14.84 28.36,14.71 U7.5@28.55,14.9 ; v1(28.7,9.9) 28.758,9.958 28.758,10.308 C46.1@29.3,10.85 ; U7.4@31.7,17.95 31.724,17.95 32.466,18.692 32.892,18.692 v1(32.95,18.75) U5.31@35.65,18.75 ; C102.1@34.75,45.5 34.85,45.6 v1(34.85,46.45) ; C101.1@35.1,48.75 35.51,48.75 35.641,48.881 v1@36.181,48.881 ; C45.1@35.75,15.3 36.122,14.928 36.122,14.578 v1(36.8,13.9) ; U5.16@35.75,26.25 36.537,26.25 v1@37.211,26.924 ; C97.1@35.75,43.8 36.51,43.8 37.56,42.75 v1(37.6,42.75) ; v1(36.2,48.9) v1@36.181,48.881 ; C103.1@37.3,44.65 38.41,44.65 38.53,44.53 ; C100.1@37.3,48.75 36.89,48.75 36.759,48.881 v1@36.181,48.881 ; v1(37.752,15.89) 37.81,15.832 37.81,15.657 38.05,15.417 U5.38@38.05,14.45 ; U5.143@38.05,35.55 38.05,34.8 38.456,34.394 38.456,34.188 38.844,33.8 v1(39.2,33.8) ; U10.9@38.53,43.37 U10.8@38.53,43.97 38.53,44.53 ; U11.3@39.15,47.75 U11.2@39.65,47.75 ; v1@39.2,45 v1(39.3,45.1) ; U11.9@39.65,46.25 39.6,46.2 39.6,45.8 39.3,45.5 v1(39.3,45.1) ; C99.1@40.05,39.9 C99.1@40.3,39.9 40.65,40.25 v1(41.15,40.25) 41.092,40.308 41.092,40.558 C98.1@40.25,41.4 ; U11.12@40.2,47.25 40.152,47.298 39.902,47.298 39.698,47.502 39.698,47.702 U11.2@39.65,47.75 ; U10.3@40.23,42.77 U10.3@40.37,42.77 40.38,42.76 40.99,42.76 v1@41.05,42.7 ; U10.5@40.37,43.97 40.7,44.3 40.7,45.2 40.4,45.5 39.9,45.5 39.5,45.1 v1(39.3,45.1) ; v1(40.4,48.95) 40,48.95 39.65,48.6 U11.2@39.65,47.75 ; v1(44.1,16.3) 44.117,16.283 44.117,16.002 44.55,15.569 U5.51@44.55,14.45 ; U5.130@44.577,35.56 44.55,35.533 44.55,34.132 44.8,33.882 v1(44.8,33.8) ; C68.1@48.3,40.2 48.4,40.3 v1(49.4,40.3) ; v1(49.2,16.2) 49.2,15.918 49.531,15.586 49.531,14.469 U5.61@49.55,14.45 ; U5.61@49.55,15 U5.61@49.569,15.019 ; U5.120@49.55,35.55 49.55,34.65 49.742,34.458 49.742,33.958 v1(49.8,33.9) ; v1@51.05,48.15 51.1,48.1 C71.1@52.1,48.1 52.5,47.7 C72.1@53.8,47.7 C72.1@53.85,47.7 ; C69.1@52.05,40.95 C69.1@52.15,41.05 ; v1(52.2,41.9) C69.1@52.2,41.1 ; C70.1@53.8,41.1 C69.1@52.2,41.1 ; v1(53.9,22) 54.3,22 55.05,21.25 U5.83@56.85,21.25 ; v1(53.975,48.768) 53.975,47.875 54,47.85 C72.1@53.85,47.7 ; v1(54.3,26.4) 55.588,26.4 55.938,26.75 U5.94@56.85,26.75 ; v1(54.8,32.7) 55.55,32.7 56.1,33.25 U5.107@56.85,33.25 ; v1(55.8,48.8) 55.8,47.8 C73.1@55.7,47.7 ; v1(57.65,48.8) C74.1@57.65,47.7 ; C74.1@57.7,47.7 C74.1@57.65,47.7 ; v1(58.801,33.782) 58.859,33.724 58.859,33.47 59.69,32.639 ICM-J2.4@60.325,32.639 ; v1(58.883,29.669) 58.883,29.617 59.413,29.087 60.083,29.087 ICM-J2.10@60.35,28.82 ; ICM-J2.30@60.086,16.017 ICM-J2.30@60.198,16.129 ; ICM-J2.30@60.35,16.12 60.359,16.129 ICM-J2.29@62.992,16.129 ; v1(61.45,38.75) 61.532,38.75 61.832,38.45 61.832,37.682 C53.1@61.8,37.65 ; C53.1@61.7,37.6 C53.1@61.85,37.6 ; ICM-J2.17@62.992,23.622 63.705,23.622 64.492,24.409 65.684,24.409 66.725,25.45 R31.2@66.9,25.45 ; ICM-J2.1@63.081,33.9 v1(64.6,33.9) v1@64.6,33.967 ; ICM-J2.29@63.119,16.129 63.83,15.418 63.83,14.91 v1(63.881,14.859) ; ICM-J2.7@63.15,30.1 65.15,30.1 65.276,30.226 v1(65.278,30.226) ; v1(65.55,33.85) C123.1@66.65,33.85 ; v1(65.6,25.8) 66.55,25.8 R31.2@66.85,25.5 ; C127.1@65.786,15.24 65.846,15.3 C127.1@65.85,15.3 C128.1@67.35,15.3 67.537,15.113 69.438,15.113 70.9,16.575 U15.2@70.9,16.8 ; C130.1@66.25,36.55 66.35,36.65 66.35,37.05 v1(66.9,37.6) 67.7,36.8 C129.1@67.7,36.65 ; C123.1@66.532,33.968 C123.1@66.65,33.85 ; C123.1@66.85,33.65 C123.1@66.65,33.85 ; C129.1@67.8,36.7 67.8,36.6 68.4,36 69.85,36 70.25,35.6 70.25,35.2 U16.2@70.3,35.15 ; C112.1@68.35,10.55 68.722,10.178 68.722,10.061 69.05,9.732 v1(69.05,9.65) 69.464,10.064 69.464,10.164 C111.1@69.8,10.5 ; C124.1@68.6,33.75 68.5,33.65 C123.1@66.9,33.65 66.7,33.85 C123.1@66.65,33.85 ; C124.1@68.65,33.75 C125.1@70.1,33.75 C126.1@71.6,33.75 ; v1(69.469,22.987) 70.341,22.987 71.091,23.737 C12.1@71.501,23.737 ; U3.4@70.855,40.3 70.855,40.655 72.2,42 v1(72.2,42.4) ; U13.2@72.6,12.45 72.6,12.225 73.66,11.165 D2.1@73.66,10.26 ; D2.1@73.6,10.2 D2.1@73.66,10.26 ; D2.1@73.66,10.033 D2.1@73.66,10.26 ; R43.1@74.1,37.95 74.548,37.502 77.118,37.502 J3.3@77.31,37.31 ; v1@74.422,11.022 D2.1@73.66,10.26 ; v1@79.756,31.623 81.299,30.08 PBA.9@82.475,30.08 ; v1@81.28,31.496 81.354,31.496 81.975,30.875 81.975,30.58 PBA.9@82.475,30.08 ; PBA.7@82.296,27.432 82.475,27.253 PBA.5@82.475,25 ; PBA.7@82.423,27.432 82.475,27.484 PBA.7@82.475,27.54 PBA.7@82.475,27.611 ; PBA.7@82.423,27.559 PBA.7@82.475,27.611 ; 38.53,44.53 39.1,45.1 v1(39.3,45.1) ; C69.1@52.15,41.05 C69.1@52.2,41.1 ; C69.1@52.15,41.05 C69.1@52.2,41.1 ; C72.1@53.85,47.7 C73.1@55.7,47.7 ; C73.1@55.7,47.7 C73.1@55.75,47.7 C74.1@57.65,47.7 ; PBA.7@82.475,27.611 PBA.9@82.475,30.08